# Altium PCB IC_LAB_test.PcbDoc (part 3 of 8) (continued)
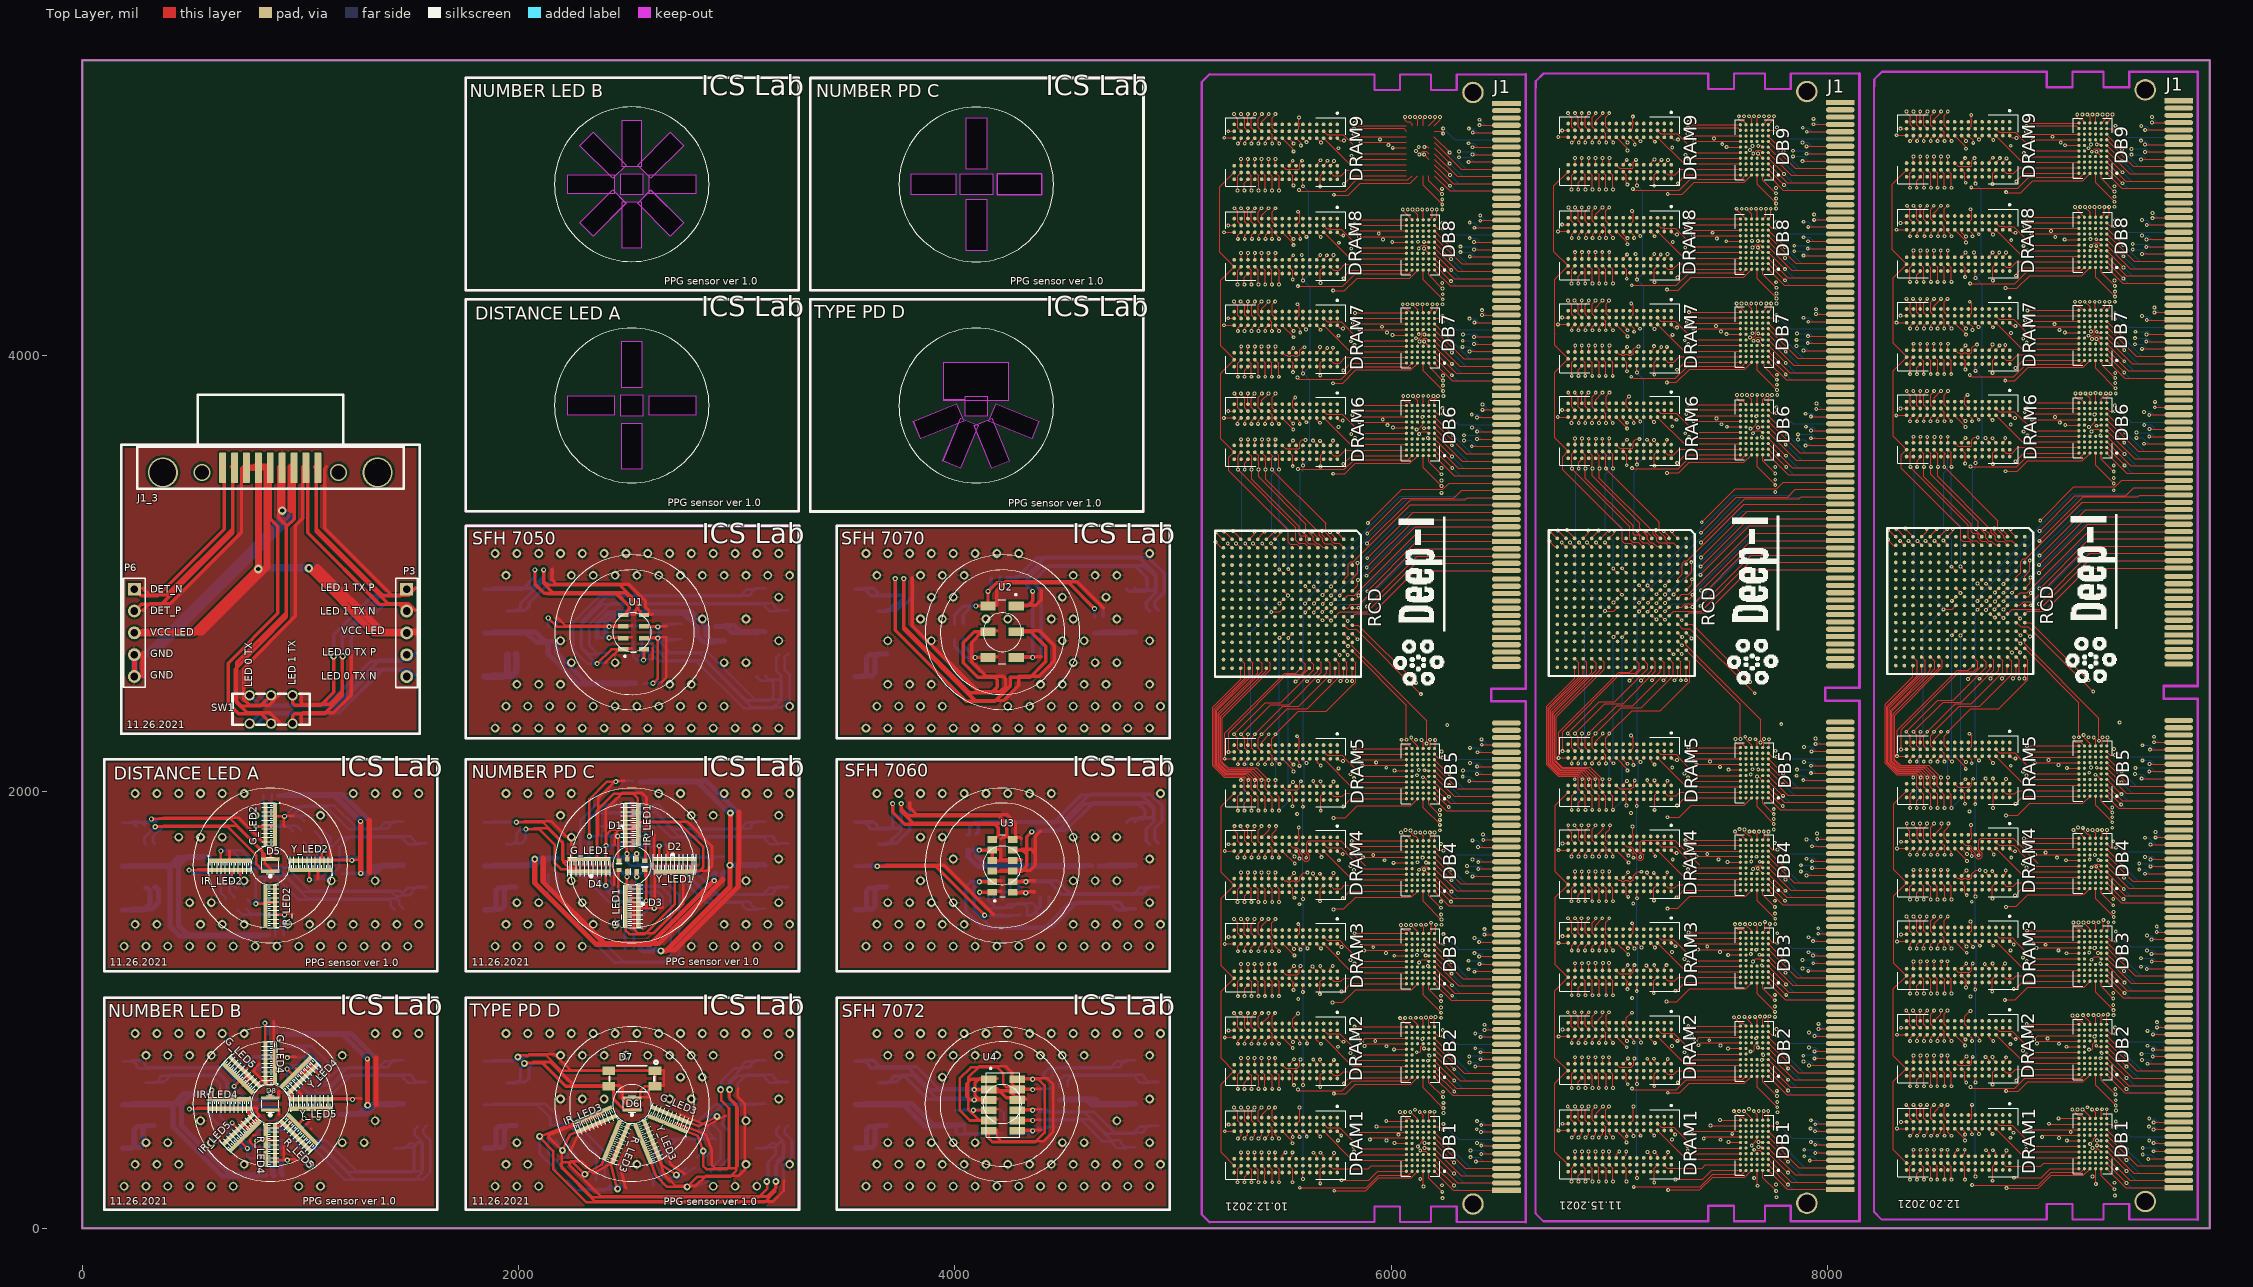
[diagram p0: Top Layer view]
## Nets (pads, with @x,y where several pads share a name; then routed paths per layer and width w, separated by ;. In a path a pad name is that pad's centre, name@x,y a point inside that pad or via, vN(x,y) a via of type N, cw(c..) or ccw(c..) an arc to the next point about the centre after c; other vN are vias at no path point) (continued)
7113.87,3177.17 7132.87,3177.17 7138.87,3171.17 7138.87,3155.17 7152.87,3141.17 7173.87,3141.17 7193.39,3121.65 7194.13,3121.65 ; 6873.43,3591.3 6873.87,3591.75 v1(6873.87,3619.17) ; 6873.43,3984.21 6873.43,3981.62 6888.87,3966.17 v1(6888.87,3906.17) v1@6888.87,3903.17 ; 6873.43,4410.39 6873.43,4409.62 6888.87,4394.17 v1@6888.87,4331.17 ; 6873.43,4441.89 6873.43,4472.72 v1(6873.87,4473.17) ; 6873.43,4842.17 6873.88,4842.17 6888.87,4827.17 6888.87,4764.17 v1@6889.87,4763.17 ; 6879.17,2570.47 6879.17,2534.47 6724.87,2380.17 6724.87,2127.72 6769.42,2083.17 6863.72,2083.17 6888.87,2058.02 6888.87,2016.17 6904.92,2000.13 6904.92,1997.56 6920.87,1981.61 v1@6920.87,1919.17 ; 6879.17,2609.84 6895.87,2593.14 6895.87,2539.17 6730.87,2374.17 6730.87,2130.2 6771.9,2089.17 6872.87,2089.17 v1(6904.87,2057.17) 6904.92,2057.13 6904.92,2029.06 ; 6879.17,3161.02 6902.87,3184.72 v1(6902.87,3197.17) ; v1@6887.87,1275.17 6888.87,1276.17 6888.87,1292.17 6903.79,1307.09 6904.92,1307.09 ; v1@6888.87,3691.17 6888.87,3703.17 6902.98,3717.28 6904.92,3717.28 ; v1@6888.87,4978.17 6889.87,4979.17 6889.87,4988.17 6901.35,4999.65 6904.92,4999.65 ; v1(6889.87,415.17) 6904.92,430.22 6904.92,447.68 ; v1@6889.87,850.17 6889.87,863.81 6904.92,878.86 ; v1@6889.87,1705.17 6889.87,1719.17 6902.79,1732.09 6904.92,1732.09 ; v1@6889.87,4116.17 6889.87,4129.17 6902.39,4141.69 6904.92,4141.69 ; v1@6891.87,4540.17 6890.87,4541.17 6890.87,4557.17 6901.57,4567.87 6904.92,4567.87 ; v1(6896.87,3142.17) 6897.45,3142.17 6917.97,3121.65 6918.54,3121.65 ; v1(6902.87,1420.17) 6902.87,1413.17 6888.78,1399.08 6888.78,1355.27 6904.92,1339.13 6904.92,1338.58 ; v1(6903.87,351.17) 6904.4,350.65 6904.4,322.22 6904.92,321.69 ; v1(6903.87,557.17) 6889.71,543.01 6889.71,495.34 6904.92,480.13 6904.92,479.17 ; v1(6903.87,783.17) 6904.4,782.65 6904.4,753.4 6904.92,752.87 ; v1(6903.87,1215.17) 6904.4,1214.65 6904.4,1181.63 6904.92,1181.1 ; v1(6903.87,1846.17) 6903.87,1838.17 6889.71,1824.01 6889.71,1776.34 6902.46,1763.58 6904.92,1763.58 ; v1@6903.87,3828.17 6888.64,3812.94 6888.64,3766.41 6904.92,3750.13 6904.92,3748.78 ; v1(6904.87,989.17) 6888.78,973.08 6888.78,927.27 6904.92,911.13 6904.92,910.35 ; v1@6904.87,1633.17 6904.87,1606.15 6904.92,1606.1 ; v1@6904.87,2265.17 6889.71,2250.01 6889.71,2202.34 6904.92,2187.13 6904.92,2186.54 ; v1(6904.87,2267.17) 7032.87,2395.17 7106.87,2395.17 7250.98,2539.28 7250.98,2592.36 7233.5,2609.84 ; v1(6904.87,3618.17) 6904.92,3618.13 6904.92,3591.3 ; v1@6904.87,4044.17 6904.92,4044.13 6904.92,4015.71 ; v1@6904.87,4250.17 6904.87,4249.17 6889.71,4234.01 6889.71,4188.34 6904.86,4173.19 6904.92,4173.19 ; v1(6904.87,4473.17) 6904.92,4473.13 6904.92,4441.89 ; v1@6904.87,4677.17 6888.87,4661.17 6888.87,4617.17 6904.92,4601.13 6904.92,4599.37 ; v1@6904.87,4905.17 6904.92,4905.13 6904.92,4873.66 ; 6904.92,290.2 6904.92,287.13 6920.87,271.17 6920.87,215.17 v1(6921.87,214.17) ; 6904.92,721.38 6904.92,718.13 6921.87,701.17 6921.87,696.86 6921.2,696.18 6921.2,683.58 6921.87,682.91 v1(6921.87,642.17) ; 6904.92,1149.61 6920.87,1133.65 6920.87,1068.17 v1(6921.87,1067.17) ; 6904.92,1574.61 6904.92,1572.13 6920.87,1556.17 v1@6920.87,1500.17 ; 6904.92,3559.8 6905.24,3559.8 6921.87,3543.17 6921.87,3535.28 6921.2,3534.61 6921.2,3522.01 6921.87,3521.33 v1@6921.87,3482.17 ; 6904.92,3984.21 6904.92,3983.13 6920.87,3967.17 v1(6920.87,3906.17) v1@6920.87,3905.17 ; 6904.92,4410.39 6904.92,4410.13 6920.87,4394.17 6920.87,4333.17 v1@6921.87,4332.17 ; 6904.92,4842.17 6905.88,4842.17 6921.87,4826.17 6921.87,4817.64 6921.2,4816.97 6921.2,4804.37 6921.87,4803.7 v1@6921.87,4763.17 ; 6904.92,5031.14 6888.64,5047.42 6888.64,5090.94 v1@6905.87,5108.17 ; 6918.54,2570.47 6918.54,2547.84 6736.87,2366.17 6736.87,2132.69 6774.39,2095.17 6881.72,2095.17 6918.87,2058.02 6918.87,2015.1 6936.42,1997.56 6952.87,1981.1 6952.87,1972.54 6952.7,1972.36 6952.7,1959.76 6952.87,1959.59 v1@6952.87,1920.17 ; 6918.54,2609.84 6938.87,2589.51 6938.87,2556.17 6742.87,2360.17 6742.87,2135.17 6776.87,2101.17 6890.87,2101.17 v1(6934.87,2057.17) 6936.42,2055.63 6936.42,2029.06 ; 6918.54,3161.02 6918.54,3164.41 6948.87,3194.74 v1(6948.87,3197.17) ; v1@6919.87,2132.17 6919.87,2138.5 6936.42,2155.04 ; v1@6919.87,3691.17 6920.87,3692.17 6920.87,3705.17 6932.98,3717.28 6936.42,3717.28 ; v1@6920.87,851.17 6920.87,865.17 6934.56,878.86 6936.42,878.86 ; v1@6920.87,4978.17 6921.87,4979.17 6921.87,4987.17 6934.35,4999.65 6936.42,4999.65 ; v1(6921.87,415.17) 6936.42,429.72 6936.42,447.68 ; v1@6921.87,1276.17 6921.87,1292.17 6936.42,1306.72 6936.42,1307.09 ; v1@6921.87,1706.17 6921.87,1717.17 6936.42,1731.72 6936.42,1732.09 ; v1(6921.87,3481.17) 6921.87,3447.17 7138.37,3230.67 7138.37,3206.67 7172.87,3172.17 7172.87,3156.17 7187.87,3141.17 7198.87,3141.17 7215.87,3124.17 7230.98,3124.17 7233.5,3121.65 ; v1@6921.87,4117.17 6921.87,4130.17 6933.39,4141.69 6936.42,4141.69 ; v1@6922.87,4541.17 6922.87,4556.17 6934.57,4567.87 6936.42,4567.87 ; v1@6934.87,4044.17 6934.87,4017.25 6936.42,4015.71 ; v1@6934.87,4677.17 6920.14,4662.44 6920.14,4617.91 6936.42,4601.63 6936.42,4599.37 ; v1(6935.87,351.17) 6936.15,350.9 6936.15,321.96 6936.42,321.69 ; v1(6935.87,557.17) 6920.28,541.57 6920.28,496.77 6936.42,480.63 6936.42,479.17 ; v1(6935.87,783.17) 6936.15,782.9 6936.15,753.15 6936.42,752.87 ; v1(6935.87,1215.17) 6936.15,1214.9 6936.15,1181.37 6936.42,1181.1 ; v1@6935.87,1633.17 6936.42,1632.63 6936.42,1606.1 ; v1@6935.87,1845.17 6935.87,1843.17 6921.2,1828.5 6921.2,1777.84 6935.46,1763.58 6936.42,1763.58 ; v1@6935.87,2264.17 6920.87,2249.17 6920.87,2202.17 6936.42,2186.63 6936.42,2186.54 ; v1(6935.87,2267.17) 7052.87,2384.17 7145.87,2384.17 7292.87,2531.17 7292.87,2589.84 7272.87,2609.84 ; v1(6935.87,4251.17) 6920.87,4236.17 6920.87,4190.17 6936.42,4174.63 6936.42,4173.19 ; v1(6935.87,4473.17) 6935.87,4442.43 6936.42,4441.89 ; v1(6935.87,4904.17) 6936.42,4903.63 6936.42,4873.66 ; 6936.42,290.2 6950.87,275.74 6950.87,265.76 6951.63,265 6951.63,252.4 6950.87,251.64 v1(6950.87,214.17) ; 6936.42,510.67 6938.77,513.02 6938.77,526.07 v1(6969.87,557.17) ; 6936.42,721.38 6950.87,706.92 6950.87,696.94 6951.63,696.18 6951.63,683.58 6950.87,682.82 v1(6950.87,642.17) ; 6936.42,910.35 6936.42,910.63 6920.28,926.77 6920.28,971.57 v1@6936.87,988.17 ; 6936.42,941.85 6967.87,973.31 v1@6967.87,988.17 ; 6936.42,1149.61 6951.87,1134.15 6951.87,1068.17 v1(6950.87,1067.17) ; 6936.42,1338.58 6935.46,1338.58 6920.87,1353.17 6920.87,1400.17 6936.87,1416.17 v1@6936.87,1419.17 ; 6936.42,1370.08 6936.42,1388.72 v1@6966.87,1419.17 ; 6936.42,1574.61 6936.42,1571.63 6951.87,1556.17 v1@6951.87,1500.17 ; 6936.42,1795.08 6970.87,1829.54 v1@6970.87,1845.17 ; 6936.42,2218.03 6936.42,2231.72 v1@6968.87,2264.17 ; 6936.42,3559.8 6936.42,3557.63 6953.87,3540.17 6953.87,3535.78 6952.7,3534.61 6952.7,3522.01 6953.87,3520.83 v1@6953.87,3483.17 ; 6936.42,3591.3 6937.87,3592.76 v1(6937.87,3618.17) ; 6936.42,3748.78 6936.27,3748.78 6921.2,3763.84 6921.2,3811.5 6936.87,3827.17 v1@6936.87,3828.17 ; 6936.42,3780.28 6936.42,3797.72 v1(6967.87,3829.17) ; 6936.42,3984.21 6937.83,3984.21 6952.87,3969.17 6952.87,3959.19 6952.7,3959.02 6952.7,3946.41 6952.87,3946.24 v1(6952.87,3906.17) v1@6952.87,3905.17 ; 6936.42,4204.69 6936.42,4218.72 v1@6967.87,4250.17 ; 6936.42,4410.39 6937.65,4410.39 6952.87,4395.17 6952.87,4385.37 6952.7,4385.2 6952.7,4372.6 6952.87,4372.42 v1@6952.87,4333.17 ; 6936.42,4630.87 6936.42,4645.72 v1@6967.87,4677.17 ; 6936.42,4842.17 6937.88,4842.17 6952.87,4827.17 6952.87,4817.15 6952.7,4816.97 6952.7,4804.37 6952.87,4804.19 v1@6952.87,4763.17 ; 6936.42,5031.14 6936.42,5031.63 6921.2,5046.84 6921.2,5091.5 v1@6936.87,5107.17 ; 6936.42,5062.64 6936.42,5074.72 v1@6968.87,5107.17 ; v1(6938.87,3142.17) 6938.87,3141.43 6957.91,3122.39 6957.91,3121.65 ; v1(6950.87,415.17) 6967.91,432.21 6967.91,447.68 ; v1@6951.87,852.17 6951.87,862.17 6967.91,878.21 6967.91,878.86 ; v1@6951.87,1708.17 6951.87,1717.17 6966.79,1732.09 6967.91,1732.09 ; v1@6951.87,2131.17 6952.87,2132.17 6952.87,2140.17 6967.74,2155.04 6967.91,2155.04 ; v1@6951.87,3692.17 6951.87,3703.17 6965.98,3717.28 6967.91,3717.28 ; v1@6952.87,1276.17 6952.87,1292.17 6967.79,1307.09 6967.91,1307.09 ; v1@6952.87,4117.17 6952.87,4128.17 6966.39,4141.69 6967.91,4141.69 ; v1@6952.87,4977.17 6953.87,4978.17 6953.87,4988.17 6965.35,4999.65 6967.91,4999.65 ; v1(6953.87,3481.17) 6953.87,3437.17 7199.37,3191.67 7199.37,3179.82 7215.87,3163.32 7215.87,3149.93 7217.63,3148.17 7217.87,3148.17 7225.87,3140.17 7254.87,3140.17 7272.87,3122.17 7272.87,3121.65 ; v1@6953.87,4543.17 6954.87,4544.17 6954.87,4557.17 6965.57,4567.87 6967.91,4567.87 ; 6957.91,2570.47 6957.91,2559.21 6748.87,2350.17 6748.87,2138.69 6780.39,2107.17 6899.87,2107.17 6951.87,2055.17 6951.87,2017.17 6967.91,2001.13 6967.91,1997.56 6967.91,1995.13 6983.87,1979.17 6983.87,1920.17 v1@6984.87,1919.17 ; 6957.91,2609.84 6974.87,2592.88 6974.87,2562.17 6756.37,2343.67 6756.37,2139.67 6782.87,2113.17 6911.87,2113.17 6966.91,2058.13 6967.91,2058.13 6967.91,2029.06 ; 6957.91,3161.02 6959.82,3161.02 6994.97,3196.17 v1(6996.87,3196.17) ; v1(6966.87,3618.17) 6967.91,3617.13 6967.91,3591.3 ; v1@6966.87,4044.17 6966.87,4016.75 6967.91,4015.71 ; v1@6966.87,4474.17 v1(6966.87,4473.17) 6966.87,4442.93 6967.91,4441.89 ; v1@6967.87,1633.17 6967.91,1633.13 6967.91,1606.1 ; v1(6967.87,4904.17) 6967.91,4904.13 6967.91,4873.66 ; 6967.91,290.2 6967.91,289.13 6984.87,272.17 6984.87,265.68 6984.19,265 6984.19,252.4 6984.87,251.72 v1(6984.87,214.17) ; 6967.91,321.69 6968.89,322.67 6968.89,350.19 v1(6969.87,351.17) ; 6967.91,479.17 6983.87,463.21 6983.87,416.17 v1(6984.87,415.17) ; 6967.91,721.38 6967.91,719.13 6984.87,702.17 6984.87,696.86 6984.19,696.18 6984.19,683.58 6984.87,682.9 v1(6984.87,642.17) ; 6967.91,752.87 6968.89,753.85 6968.89,782.19 v1(6969.87,783.17) ; 6967.91,910.35 6983.87,894.39 6983.87,854.17 v1@6982.87,853.17 ; 6967.91,1149.61 6984.87,1132.65 6984.87,1125.09 6984.19,1124.41 6984.19,1111.81 6984.87,1111.13 v1(6984.87,1067.17) ; 6967.91,1181.1 6968.89,1182.08 6968.89,1214.19 v1(6969.87,1215.17) ; 6967.91,1338.58 6967.91,1336.13 6983.87,1320.17 v1@6983.87,1277.17 ; 6967.91,1574.61 6968.44,1574.61 6984.87,1558.17 6984.87,1550.09 6984.19,1549.41 6984.19,1536.81 6984.87,1536.13 v1@6984.87,1501.17 ; 6967.91,1763.58 6967.91,1761.13 6984.87,1744.17 6984.87,1739.07 6984.19,1738.39 6984.19,1725.78 6984.87,1725.11 v1@6984.87,1709.17 ; 6967.91,2186.54 6967.91,2184.13 6983.87,2168.17 v1@6983.87,2131.17 ; 6967.91,3559.8 6986.71,3541.01 6983.27,3537.57 v1(6983.27,3480.83) 7228.87,3235.23 7228.87,3192.1 7254.87,3166.1 7254.87,3155.17 7267.87,3142.17 7291.72,3142.17 7312.24,3121.65 ; 6967.91,3748.78 6967.91,3748.13 6983.87,3732.17 v1@6983.87,3693.17 ; 6967.91,3984.21 6967.91,3984.13 6982.87,3969.17 6982.87,3959.27 6983.13,3959.02 6983.13,3946.41 6982.87,3946.16 v1(6982.87,3906.17) v1@6982.87,3905.17 ; 6967.91,4173.19 6967.91,4171.13 6982.87,4156.17 6982.87,4148.25 6983.13,4147.99 6983.13,4135.39 6982.87,4135.14 v1@6982.87,4118.17 ; 6967.91,4410.39 6967.91,4410.13 6982.87,4395.17 6982.87,4385.45 6983.13,4385.2 6983.13,4372.6 6982.87,4372.34 v1@6982.87,4332.17 ; 6967.91,4599.37 6967.91,4598.13 6983.87,4582.17 v1@6983.87,4544.17 ; 6967.91,4842.17 6967.91,4841.13 6983.87,4825.17 v1@6983.87,4763.17 ; 6967.91,5031.13 6983.87,5015.17 6983.87,4978.17 v1@6984.87,4977.17 ; v1(6978.87,3143.17) 6978.87,3141.62 6997.28,3123.21 6997.28,3121.65 ; v1(6979.87,2828.17) 7018.76,2828.17 7036.65,2846.06 ; 6997.28,3161.02 7021.87,3185.61 v1(7021.87,3196.17) ; v1(6997.87,351.17) 6998.64,350.41 6998.64,322.46 6999.41,321.69 ; v1(6997.87,557.17) 6983.87,543.17 6983.87,496.17 6999.41,480.64 6999.41,479.17 ; v1(6997.87,783.17) 6998.64,782.41 6998.64,753.64 6999.41,752.87 ; v1@6997.87,988.17 6984.19,974.49 6984.19,925.85 6999.41,910.64 6999.41,910.35 ; v1(6997.87,1215.17) 6998.64,1214.41 6998.64,1181.87 6999.41,1181.1 ; v1(6997.87,4251.17) 6984.19,4237.49 6984.19,4189.85 6999.41,4174.64 6999.41,4173.19 ; v1@6998.87,1418.17 6983.13,1402.43 6983.13,1351.92 6996.46,1338.58 6999.41,1338.58 ; v1@6998.87,1633.17 6998.87,1606.64 6999.41,1606.1 ; v1@6998.87,2263.17 6983.13,2247.43 6983.13,2201.92 6998.51,2186.54 6999.41,2186.54 ; v1(6998.87,2267.17) 7103.87,2372.17 7232.87,2372.17 7356.27,2495.57 7357.34,2495.57 7366.73,2504.96 7366.73,2594.73 7351.61,2609.84 ; v1(6998.87,3619.17) 6999.41,3618.64 6999.41,3591.3 ; v1(6998.87,4473.17) 6998.87,4442.43 6999.41,4441.89 ; v1(6998.87,4678.17) 6983.87,4663.17 6983.87,4616.17 6999.41,4600.64 6999.41,4599.37 ; v1@6998.87,5107.17 6983.87,5092.17 6983.87,5047.17 6999.41,5031.64 6999.41,5031.14 ; 6999.41,290.2 7015.87,273.73 7015.87,265.19 7015.69,265 7015.69,252.4 7015.87,252.22 v1(7015.87,214.17) ; 6999.41,447.68 6999.41,431.64 v1(7015.87,415.17) ; 6999.41,721.38 7015.87,704.91 7015.87,696.37 7015.69,696.18 7015.69,683.58 7015.87,683.4 v1(7015.87,642.17) ; 6999.41,878.86 6999.41,870.64 v1@7015.87,854.17 ; 6999.41,1149.61 7015.87,1133.14 7015.87,1124.6 7015.69,1124.41 7015.69,1111.81 7015.87,1111.63 v1(7015.87,1067.17) ; 6999.41,1307.09 6999.41,1294.64 v1@7015.87,1278.17 ; 6999.41,1574.61 7015.87,1558.14 7015.87,1549.6 7015.69,1549.41 7015.69,1536.81 7015.87,1536.63 v1@7015.87,1501.17 ; 6999.41,1732.09 7014.87,1716.62 v1@7014.87,1709.17 ; 6999.41,1763.58 6998.46,1763.58 6983.87,1778.17 6983.87,1811.17 7001.87,1829.17 v1@7001.87,1844.17 ; 6999.41,1997.56 6999.41,1995.64 7015.87,1979.17 7015.87,1972.55 7015.69,1972.36 7015.69,1959.76 7015.87,1959.58 v1(7015.87,1917.17) ; 6999.41,2029.06 6999.87,2029.52 v1(6999.87,2057.17) v1@6999.87,2060.17 ; 6999.41,2155.04 6999.41,2145.64 7014.61,2130.44 v1(7018.7,2130.44) ; 6999.41,3559.8 7001.24,3559.8 7014.87,3546.17 7014.87,3483.17 v1@7015.87,3482.17 ; 6999.41,3717.28 6999.41,3708.64 v1@7014.87,3693.17 ; 6999.41,3748.78 6999.41,3749.64 6984.19,3764.85 6984.19,3812.49 v1@6999.87,3828.17 ; 6999.41,3984.21 6999.41,3983.64 7014.87,3968.17 v1(7014.87,3906.17) ; 6999.41,4015.71 6999.41,4043.71 v1@6999.87,4044.17 ; 6999.41,4141.69 6999.41,4135.64 v1@7015.87,4119.17 ; 6999.41,4410.39 6999.65,4410.39 7015.87,4394.17 7015.87,4385.38 7015.69,4385.2 7015.69,4372.6 7015.87,4372.41 v1@7015.87,4333.17 ; 6999.41,4567.87 6999.41,4560.64 v1@7015.87,4544.17 ; 6999.41,4842.17 6999.41,4841.64 7015.87,4825.17 7015.87,4817.15 7015.69,4816.97 7015.69,4804.37 7015.87,4804.18 v1@7015.87,4765.17 ; 6999.41,4873.66 6999.41,4903.71 v1(6999.87,4904.17) ; 6999.41,4999.65 6999.41,4995.64 v1@7016.87,4978.17 ; v1(7016.87,3023.17) 7016.95,3023.17 7036.58,3003.54 7036.65,3003.54 ; v1(7017.87,2709.17) 7036.65,2727.95 ; v1(7017.87,2867.17) 7036.13,2885.43 7036.65,2885.43 ; 7030.91,321.69 7030.91,337.2 v1(7044.87,351.17) ; 7030.91,447.68 7076.15,402.43 7076.15,394.9 v1(7077.87,393.17) ; 7030.91,752.87 7046.12,737.66 7100.2,737.66 7110.18,747.64 7110.18,773.48 v1(7113.87,777.17) ; 7030.91,878.86 7030.91,878 7078.87,830.03 v1(7078.87,829.17) ; 7030.91,1181.1 7046.12,1165.89 7100.2,1165.89 7109.11,1174.8 7109.11,1200.41 v1(7113.87,1205.17) ; 7030.91,1307.09 7031.93,1307.09 7084.85,1254.17 v1(7085.87,1254.17) ; 7030.91,1606.1 7041.83,1595.17 7051.81,1595.17 7056.1,1590.89 7068.7,1590.89 7072.99,1595.17 7083.31,1595.17 7087.6,1590.89 7100.2,1590.89 7104.49,1595.17 7109.87,1595.17 7109.87,1615.31 7127.74,1633.17 v1(7145.87,1633.17) ; 7030.91,2029.06 7046.12,2013.84 7100.2,2013.84 7110.18,2023.82 7110.18,2046.26 v1(7115.87,2051.96) ; 7030.91,2155.04 7080.15,2105.79 7080.15,2098.9 v1(7081.87,2097.17) ; 7030.91,3591.3 7030.91,3591.14 7046.87,3575.17 7105.87,3575.17 7109.87,3579.17 7109.87,3605.17 7120.87,3616.17 v1(7136.87,3616.17) ; 7030.91,3717.28 7030.91,3715.71 7080.87,3665.74 v1(7080.87,3664.17) ; 7030.91,4015.71 7033.34,4015.71 7044.87,4004.17 7052.42,4004.17 7056.1,4000.49 7068.7,4000.49 7072.38,4004.17 7083.92,4004.17 7087.6,4000.49 7100.2,4000.49 7103.88,4004.17 7109.87,4004.17 7109.87,4027.17 7122.37,4039.67 7131.37,4039.67 v1(7132.87,4041.17) ; 7030.91,4141.69 7030.91,4140.42 7082.87,4088.45 v1(7082.87,4087.17) ; 7030.91,4567.87 7081.15,4517.63 7081.15,4510.9 v1(7082.87,4509.17) ; 7030.91,4873.66 7046.39,4858.17 7106.87,4858.17 7109.87,4861.17 7109.87,4885.17 7120.87,4896.17 v1(7121.87,4896.17) ; 7030.91,4999.65 7081.15,4949.4 7081.15,4940.9 v1(7082.87,4939.17) ; 7030.93,1732.09 v1(7087.87,1675.17) ; 7036.65,2924.8 7056.87,2904.58 v1(7056.87,2903.17) ; v1(7057.87,2708.17) 7057.87,2709.8 7076.02,2727.95 ; v1(7057.87,3024.17) 7057.87,3022.93 7076.02,3004.78 7076.02,3003.54 ; 7062.4,290.2 7062.4,288.65 7077.62,273.43 7077.62,214.43 v1(7077.87,214.17) ; 7062.4,321.69 7076.87,336.17 v1(7076.87,351.17) ; 7062.4,447.68 7078.41,431.67 7078.41,421.64 v1(7078.87,421.17) ; 7062.4,721.38 7077.87,705.91 7077.87,667.61 7083.87,661.61 v1(7083.87,659.17) ; 7062.4,752.87 7062.4,754.29 7084.87,776.76 v1(7084.87,778.17) ; 7062.4,878.86 7062.4,876.75 7079.87,859.28 v1(7079.87,857.17) ; 7062.4,1149.61 7082.87,1129.13 7082.87,1128.6 7078.68,1124.41 7078.68,1111.81 7082.87,1107.62 v1(7082.87,1095.17) ; 7062.4,1181.1 7062.4,1182.4 7083.87,1203.87 v1(7083.87,1205.17) ; 7062.4,1307.09 7062.4,1306.37 7084.87,1283.89 v1(7084.87,1283.17) ; 7062.4,1574.61 7077.76,1559.25 7077.76,1526.29 v1(7085.87,1518.17) ; 7062.4,1606.1 7062.4,1607.4 7084.87,1629.87 v1(7084.87,1631.17) ; 7062.4,1732.09 7062.4,1731.87 7086.87,1707.39 v1(7086.87,1707.17) ; 7062.4,1763.58 7078.68,1747.3 7100.2,1747.3 7110.18,1737.32 7110.18,1725.78 7125.14,1710.82 7125.14,1694.84 7134.28,1685.7 7147.22,1685.7 7156.36,1694.84 7156.36,1711.1 7141.68,1725.78 7141.68,1769.88 7150.59,1778.8 7298.25,1778.8 7412.02,1665.03 ; 7062.4,1997.56 7063.49,1997.56 7077.87,1983.17 v1(7077.87,1937.17) ; 7062.4,2029.06 7062.4,2030.38 7079.87,2047.85 v1(7079.87,2049.17) ; 7062.4,2155.04 7065.07,2152.37 7065.07,2143.98 7080.87,2128.17 v1(7082.87,2128.17) ; 7062.4,3559.8 7078.87,3543.33 7078.87,3534.8 7078.68,3534.61 7078.68,3522.01 7078.87,3521.81 v1(7078.87,3496.17) ; 7062.4,3591.3 7062.4,3593.5 7079.87,3610.97 v1(7079.87,3613.17) ; 7062.4,3717.28 7063.87,3715.81 7063.87,3706.17 7078.87,3691.17 v1(7080.87,3691.17) ; 7062.4,3984.21 7079.87,3966.74 7079.87,3960.21 7078.68,3959.02 7078.68,3946.41 7079.87,3945.22 v1(7079.87,3927.17) ; 7062.4,4015.71 7062.4,4017.7 7080.87,4036.18 v1(7080.87,4038.17) ; 7062.4,4141.69 7062.4,4138.08 7082.87,4117.61 v1(7082.87,4115.17) ; 7062.4,4410.39 7062.4,4408.65 7078.87,4392.17 7078.87,4385.39 7078.68,4385.2 7078.68,4372.6 7078.87,4372.4 v1(7078.87,4351.17) ; 7062.4,4441.89 7062.4,4443.3 7080.87,4461.77 v1(7080.87,4463.17) ; 7062.4,4567.87 7064.14,4566.14 7064.14,4554.91 7081.87,4537.17 v1(7082.87,4537.17) ; 7062.4,4842.17 7062.4,4841.65 7077.87,4826.17 7077.87,4791.17 7080.15,4788.9 7080.15,4784.9 v1(7081.87,4783.17) ; 7062.4,4873.66 7062.4,4877.27 7078.87,4893.74 v1(7078.87,4896.17) ; 7062.4,4999.65 7062.4,4997.65 7082.87,4977.17 v1(7082.87,4975.17) ; v1(7089.87,3811.17) 7077.87,3799.17 7077.87,3766.17 7093.9,3750.15 7093.9,3748.78 ; v1(7091.87,2509.17) 7093.46,2509.17 7154.76,2570.47 ; 7093.9,447.68 7108.9,432.67 7108.9,423.15 v1(7109.87,422.17) ; 7093.9,479.17 7109.87,495.15 v1(7109.87,557.17) ; 7093.9,878.86 7110.87,861.88 v1(7110.87,850.17) ; 7093.9,910.35 7077.76,926.5 7077.76,964.06 7100.87,987.17 v1(7102.87,987.17) ; 7093.9,1307.09 7093.9,1304.59 7114.87,1283.61 v1(7114.87,1281.17) ; 7093.9,1338.58 7109.87,1354.56 7109.87,1388.74 7103.87,1394.74 v1(7103.87,1397.17) ; 7093.9,1732.09 7093.9,1730.05 7109.25,1714.69 v1(7109.25,1697.37) ; 7093.9,1763.58 7109.11,1778.8 7109.11,1801.38 7105.87,1804.62 v1(7105.87,1840.17) ; 7093.9,2155.04 7109.25,2139.68 v1(7109.25,2122.57) ; 7093.9,2186.54 7109.11,2201.75 7109.11,2247.94 v1(7098.87,2258.17) ; 7093.9,3717.28 7110.51,3700.67 7110.51,3690.54 v1(7110.87,3690.17) ; 7093.9,4141.69 7112.87,4122.72 v1(7112.87,4108.17) ; 7093.9,4173.19 7109.11,4188.4 7109.11,4228.94 v1(7099.87,4238.17) ; 7093.9,4567.87 7112.87,4548.9 v1(7112.87,4538.17) ; 7093.9,4599.37 7109.87,4615.35 7109.87,4654.32 7102.87,4661.32 v1(7102.87,4662.17) ; 7093.9,4999.65 7115.87,4977.67 v1(7115.87,4966.17) ; 7093.9,5031.14 7095.84,5031.14 7106.87,5042.17 7106.87,5054.1 7109.11,5056.34 7109.11,5068.94 7106.87,5071.18 v1(7106.87,5094.17) ; v1(7099.87,3902.17) 7107.87,3894.17 7301.87,3894.17 7358.55,3950.85 7607.5,3950.85 7625.51,3968.86 ; v1(7101.87,4321.17) 7306.87,4321.17 7364.87,4379.17 7609.65,4379.17 7625.51,4395.04 ; v1(7102.87,639.17) 7107.87,634.17 7305.87,634.17 7350.87,679.17 7609.06,679.17 7625.51,695.63 ; v1(7102.87,3483.17) 7104.87,3481.17 7314.87,3481.17 7359.87,3526.17 7607.24,3526.17 7625.51,3544.45 ; v1(7106.87,4762.17) 7111.87,4757.17 7318.87,4757.17 7369.55,4807.85 7606.55,4807.85 7625.51,4826.81 ; v1(7110.87,189.17) 7414.87,189.17 7472.87,247.17 7608.24,247.17 7625.51,264.45 ; v1(7124.87,1086.17) 7125.39,1086.69 7125.39,1118.11 ; v1(7124.87,1935.17) 7125.39,1935.69 7125.39,1966.06 ; 7125.39,258.7 7125.39,229.65 v1(7125.87,229.17) ; 7125.39,447.68 7142.87,430.2 v1(7142.87,423.17) ; 7125.39,689.88 7125.87,689.4 v1(7125.87,660.17) ; 7125.39,878.86 7144.69,859.57 v1(7144.69,850.91) ; 7125.39,1307.09 7127.18,1307.09 7146.09,1288.17 v1(7146.09,1286.32) ; 7125.39,1543.11 7125.39,1512.65 v1(7125.87,1512.17) ; 7125.39,1732.09 7125.39,1729.87 7144.95,1710.32 7140.75,1706.12 v1(7140.75,1701.31) ; 7125.39,2155.04 7125.39,2153.85 7141.87,2137.37 v1(7141.87,2136.17) ; 7125.39,3528.31 7125.39,3499.65 v1(7125.87,3499.17) ; 7125.39,3717.28 7125.39,3714.97 7140.87,3699.49 v1(7140.87,3697.17) ; 7125.39,3952.72 7125.39,3921.65 v1(7125.87,3921.17) ; 7125.39,4139.09 v1@7139.87,4124.61 ; 7125.39,4378.9 7125.39,4347.65 v1(7125.87,4347.17) ; 7125.39,4567.87 7125.39,4565.09 7140.87,4549.61 v1(7140.87,4547.17) ; 7125.39,4810.67 7125.39,4779.65 v1(7125.87,4779.17) ; 7125.39,4999.65 7125.39,4998.65 7141.87,4982.17 v1(7141.87,4981.17) ; v1(7128.87,3196.17) 7130.6,3194.45 7130.6,3187.94 7154.76,3163.77 7154.76,3161.02 ; v1(7134.87,2866.17) 7135.19,2866.17 7154.45,2885.43 7154.76,2885.43 ; v1(7135.87,2826.17) 7154.76,2845.06 7154.76,2846.06 ; v1(7135.87,2946.17) 7135.87,2944.93 7154.76,2926.04 7154.76,2924.8 ; v1(7143.87,2510.17) 7146.87,2510.17 7192.87,2556.17 7192.87,2569.21 7194.13,2570.47 ; v1(7166.87,3196.17) 7191.87,3171.17 7191.87,3163.28 7194.13,3161.02 ; v1(7168.87,1203.17) 7168.87,1201.89 7188.39,1182.38 7188.39,1181.1 ; v1(7171.87,1629.17) 7173.6,1627.45 7173.6,1620.89 7188.39,1606.1 ; v1(7171.87,3613.17) 7188.39,3596.66 7188.39,3591.3 ; v1(7172.87,776.17) 7188.39,760.66 7188.39,752.87 ; v1(7172.87,2053.17) 7174.6,2051.45 7174.6,2042.84 7188.39,2029.06 ; v1(7173.87,349.17) 7188.39,334.66 7188.39,321.69 ; v1(7174.87,2825.17) 7174.87,2825.99 7194.13,2845.25 7194.13,2846.06 ; v1(7174.87,2945.17) 7174.87,2944.62 7194.13,2925.36 7194.13,2924.8 ; v1(7175.87,2866.17) 7175.87,2866.67 7194.13,2884.93 7194.13,2885.43 ; 7188.39,447.68 7188.39,440.66 v1(7204.87,424.17) ; 7188.39,878.86 7186.87,877.35 7186.87,868.17 7205.87,849.17 v1(7207.87,849.17) ; 7188.39,1307.09 7188.39,1306.37 7207.87,1286.89 v1(7207.87,1286.17) ; 7188.39,1732.09 7208.15,1712.32 7208.15,1705.9 v1(7209.87,1704.17) ; 7188.39,2155.04 7191.05,2152.37 7191.05,2140 v1(7206.87,2124.17) ; 7188.39,3717.28 7190.87,3714.8 7190.87,3707.17 7202.87,3695.17 v1(7203.87,3695.17) ; 7188.39,4015.71 7203.87,4031.2 v1(7203.87,4042.17) ; 7188.39,4141.69 7188.39,4140.18 7205.87,4122.69 v1(7205.87,4121.17) ; 7188.39,4441.89 7188.39,4445.25 7204.87,4461.74 v1(7204.87,4464.17) ; 7188.39,4567.87 7188.39,4566.27 7206.87,4547.78 v1(7206.87,4546.17) ; 7188.39,4873.66 7191.05,4876.33 7191.05,4883.35 v1(7205.87,4898.17) ; 7188.39,4999.65 7188.39,4999.15 7207.87,4979.67 v1(7207.87,4979.17) ; 7194.13,2806.69 7196.24,2806.69 7212.76,2790.17 v1(7214.87,2790.17) ; v1(7194.87,2511.17) 7233.5,2549.8 7233.5,2570.47 ; v1(7202.87,1076.17) 7202.87,1111.08 7203.6,1111.81 7203.6,1124.41 7202.87,1125.14 7202.87,1132.6 7219.88,1149.61 ; v1(7202.87,1628.17) 7202.87,1625.74 7219.88,1608.73 7219.88,1606.1 ; v1(7203.87,776.17) 7205.6,774.45 7205.6,767.16 7219.88,752.87 ; v1(7203.87,1502.17) 7203.87,1558.6 7219.88,1574.61 ; v1(7203.87,3612.17) 7203.87,3609.74 7219.88,3593.73 7219.88,3591.3 ; v1(7204.87,209.17) 7204.87,252.19 7204.67,252.4 7204.67,265 7204.87,265.21 7204.87,275.19 7219.88,290.2 ; v1(7204.87,650.17) 7204.87,683.37 7204.67,683.58 7204.67,696.18 7204.87,696.39 7204.87,706.37 7219.88,721.38 ; v1(7204.87,1205.17) 7206.31,1203.74 7206.31,1194.67 7219.88,1181.1 ; v1(7204.87,3911.17) 7204.87,3946.21 7204.67,3946.41 7204.67,3959.02 7204.87,3959.23 7204.87,3969.2 7219.88,3984.21 ; v1(7204.87,4777.17) 7204.87,4804.16 7204.67,4804.37 7204.67,4816.97 7204.87,4817.18 7204.87,4827.16 7219.88,4842.17 ; v1(7205.87,349.17) 7217.95,337.09 7217.95,323.62 7219.88,321.69 ; v1(7205.87,2052.17) 7207.26,2050.78 7207.26,2041.67 7219.88,2029.06 ; v1(7205.87,3494.17) 7205.87,3520.8 7204.67,3522.01 7204.67,3534.61 7205.87,3535.82 7205.87,3545.8 7219.88,3559.8 ; v1(7205.87,4335.17) 7204.67,4336.38 7204.67,4395.18 7219.88,4410.39 ; v1(7206.87,1917.17) 7206.87,1984.55 7219.88,1997.56 ; v1(7212.87,3199.17) 7212.87,3181.41 7233.26,3161.02 7233.5,3161.02 ; v1(7213.87,2828.17) 7215.61,2828.17 7233.5,2846.06 ; v1(7214.87,2905.17) 7214.87,2905.67 7233.5,2924.3 7233.5,2924.8 ; v1(7215.87,2864.17) 7215.87,2865.99 7233.5,2883.62 7233.5,2885.43 ; 7219.88,447.68 7351.93,315.63 7599.92,315.63 ; 7219.88,479.17 7236.16,462.89 7295.16,462.89 7391.24,366.81 7599.92,366.81 ; 7219.88,878.86 7351.93,746.81 7599.92,746.81 ; 7219.88,910.35 7236.06,894.17 7294.87,894.17 7391.06,797.99 7599.92,797.99 ; 7219.88,1307.09 7351.93,1175.04 7599.92,1175.04 ; 7219.88,1338.58 7236.1,1322.36 7293.76,1322.36 7317.48,1298.64 7317.48,1298.57 7389.83,1226.22 7599.92,1226.22 ; 7219.88,1732.09 7351.93,1600.04 7599.92,1600.04 ; 7219.88,1763.58 7236.16,1747.3 7301.82,1747.3 7323.48,1725.64 7323.48,1722.57 7394.83,1651.22 7599.92,1651.22 ; 7219.88,2155.04 7351.93,2022.99 7599.92,2022.99 ; 7219.88,2186.54 7235.63,2170.79 7305.33,2170.79 7324.48,2151.64 7324.48,2149.57 7399.87,2074.17 7599.92,2074.17 ; 7219.88,3717.28 7341.54,3595.63 7599.92,3595.63 ; 7219.88,3748.78 7220.27,3748.78 7234.87,3734.17 7304.87,3734.17 7392.24,3646.81 7599.92,3646.81 ; 7219.88,4015.71 7219.88,4018.75 7236.87,4035.74 v1(7236.87,4038.17) ; 7219.88,4141.69 7341.54,4020.04 7599.92,4020.04 ; 7219.88,4173.19 7235.9,4157.17 7300.87,4157.17 7386.83,4071.22 7599.92,4071.22 ; 7219.88,4441.89 7233.15,4455.16 7233.15,4461.45 v1(7234.87,4463.17) ; 7219.88,4567.87 7341.54,4446.22 7599.92,4446.22 ; 7219.88,4599.37 7234.4,4584.85 7244.38,4584.85 7245.08,4584.16 7251.57,4584.16 7252.64,4583.09 7257.68,4583.09 7258.6,4582.17 7275.66,4582.17 7276.57,4583.09 7289.18,4583.09 7290.09,4582.17 7301.87,4582.17 7386.65,4497.4 7599.92,4497.4 ; 7219.88,4873.66 7219.88,4875.92 7237.87,4893.91 v1(7237.87,4896.17) ; 7219.88,4999.65 7341.54,4877.99 7599.92,4877.99 ; 7219.88,5031.14 7235.85,5015.17 7309.58,5015.17 7395.58,4929.17 7599.92,4929.17 ; 7233.5,2806.69 7234.43,2806.69 7252.95,2788.17 v1(7253.87,2788.17) ; v1(7247.87,2511.17) 7272.87,2536.17 7272.87,2570.47 ; 7251.38,290.2 7251.38,287.67 7264.07,274.98 7424.47,274.98 7439.52,290.04 7599.92,290.04 ; 7251.38,321.69 7267.36,337.67 7267.36,347.66 v1(7267.87,348.17) ; 7251.38,721.38 7267.52,705.24 7293.94,705.24 7309.92,721.22 7599.92,721.22 ; 7251.38,752.87 7265.15,766.65 7265.15,773.45 v1(7266.87,775.17) ; 7251.38,1149.61 7266.59,1134.39 7299.09,1134.39 7314.15,1149.45 7599.92,1149.45 ; 7251.38,1181.1 7251.38,1194.68 v1(7261.87,1205.17) ; 7251.38,1574.61 7266.59,1559.39 7300.09,1559.39 7315.15,1574.45 7599.92,1574.45 ; 7251.38,1606.1 7264.87,1619.6 v1(7264.87,1631.17) ; 7251.38,1997.56 7266.59,1982.34 7306.05,1982.34 7321.1,1997.4 7599.92,1997.4 ; 7251.38,2029.06 7264.15,2041.83 7264.15,2048.45 v1(7265.87,2050.17) ; 7251.38,3559.8 7266.59,3544.59 7294.29,3544.59 7319.74,3570.04 7599.92,3570.04 ; 7251.38,3591.3 7262.75,3602.67 7262.75,3613.05 v1(7262.87,3613.17) ; 7251.38,3984.21 7266.59,3969 7294.7,3969 7320.15,3994.45 7599.92,3994.45 ; 7251.38,4015.71 7262.87,4027.2 v1(7262.87,4039.17)